# KiCad board FPGA_DevBoard.kicad_pcb (continued)
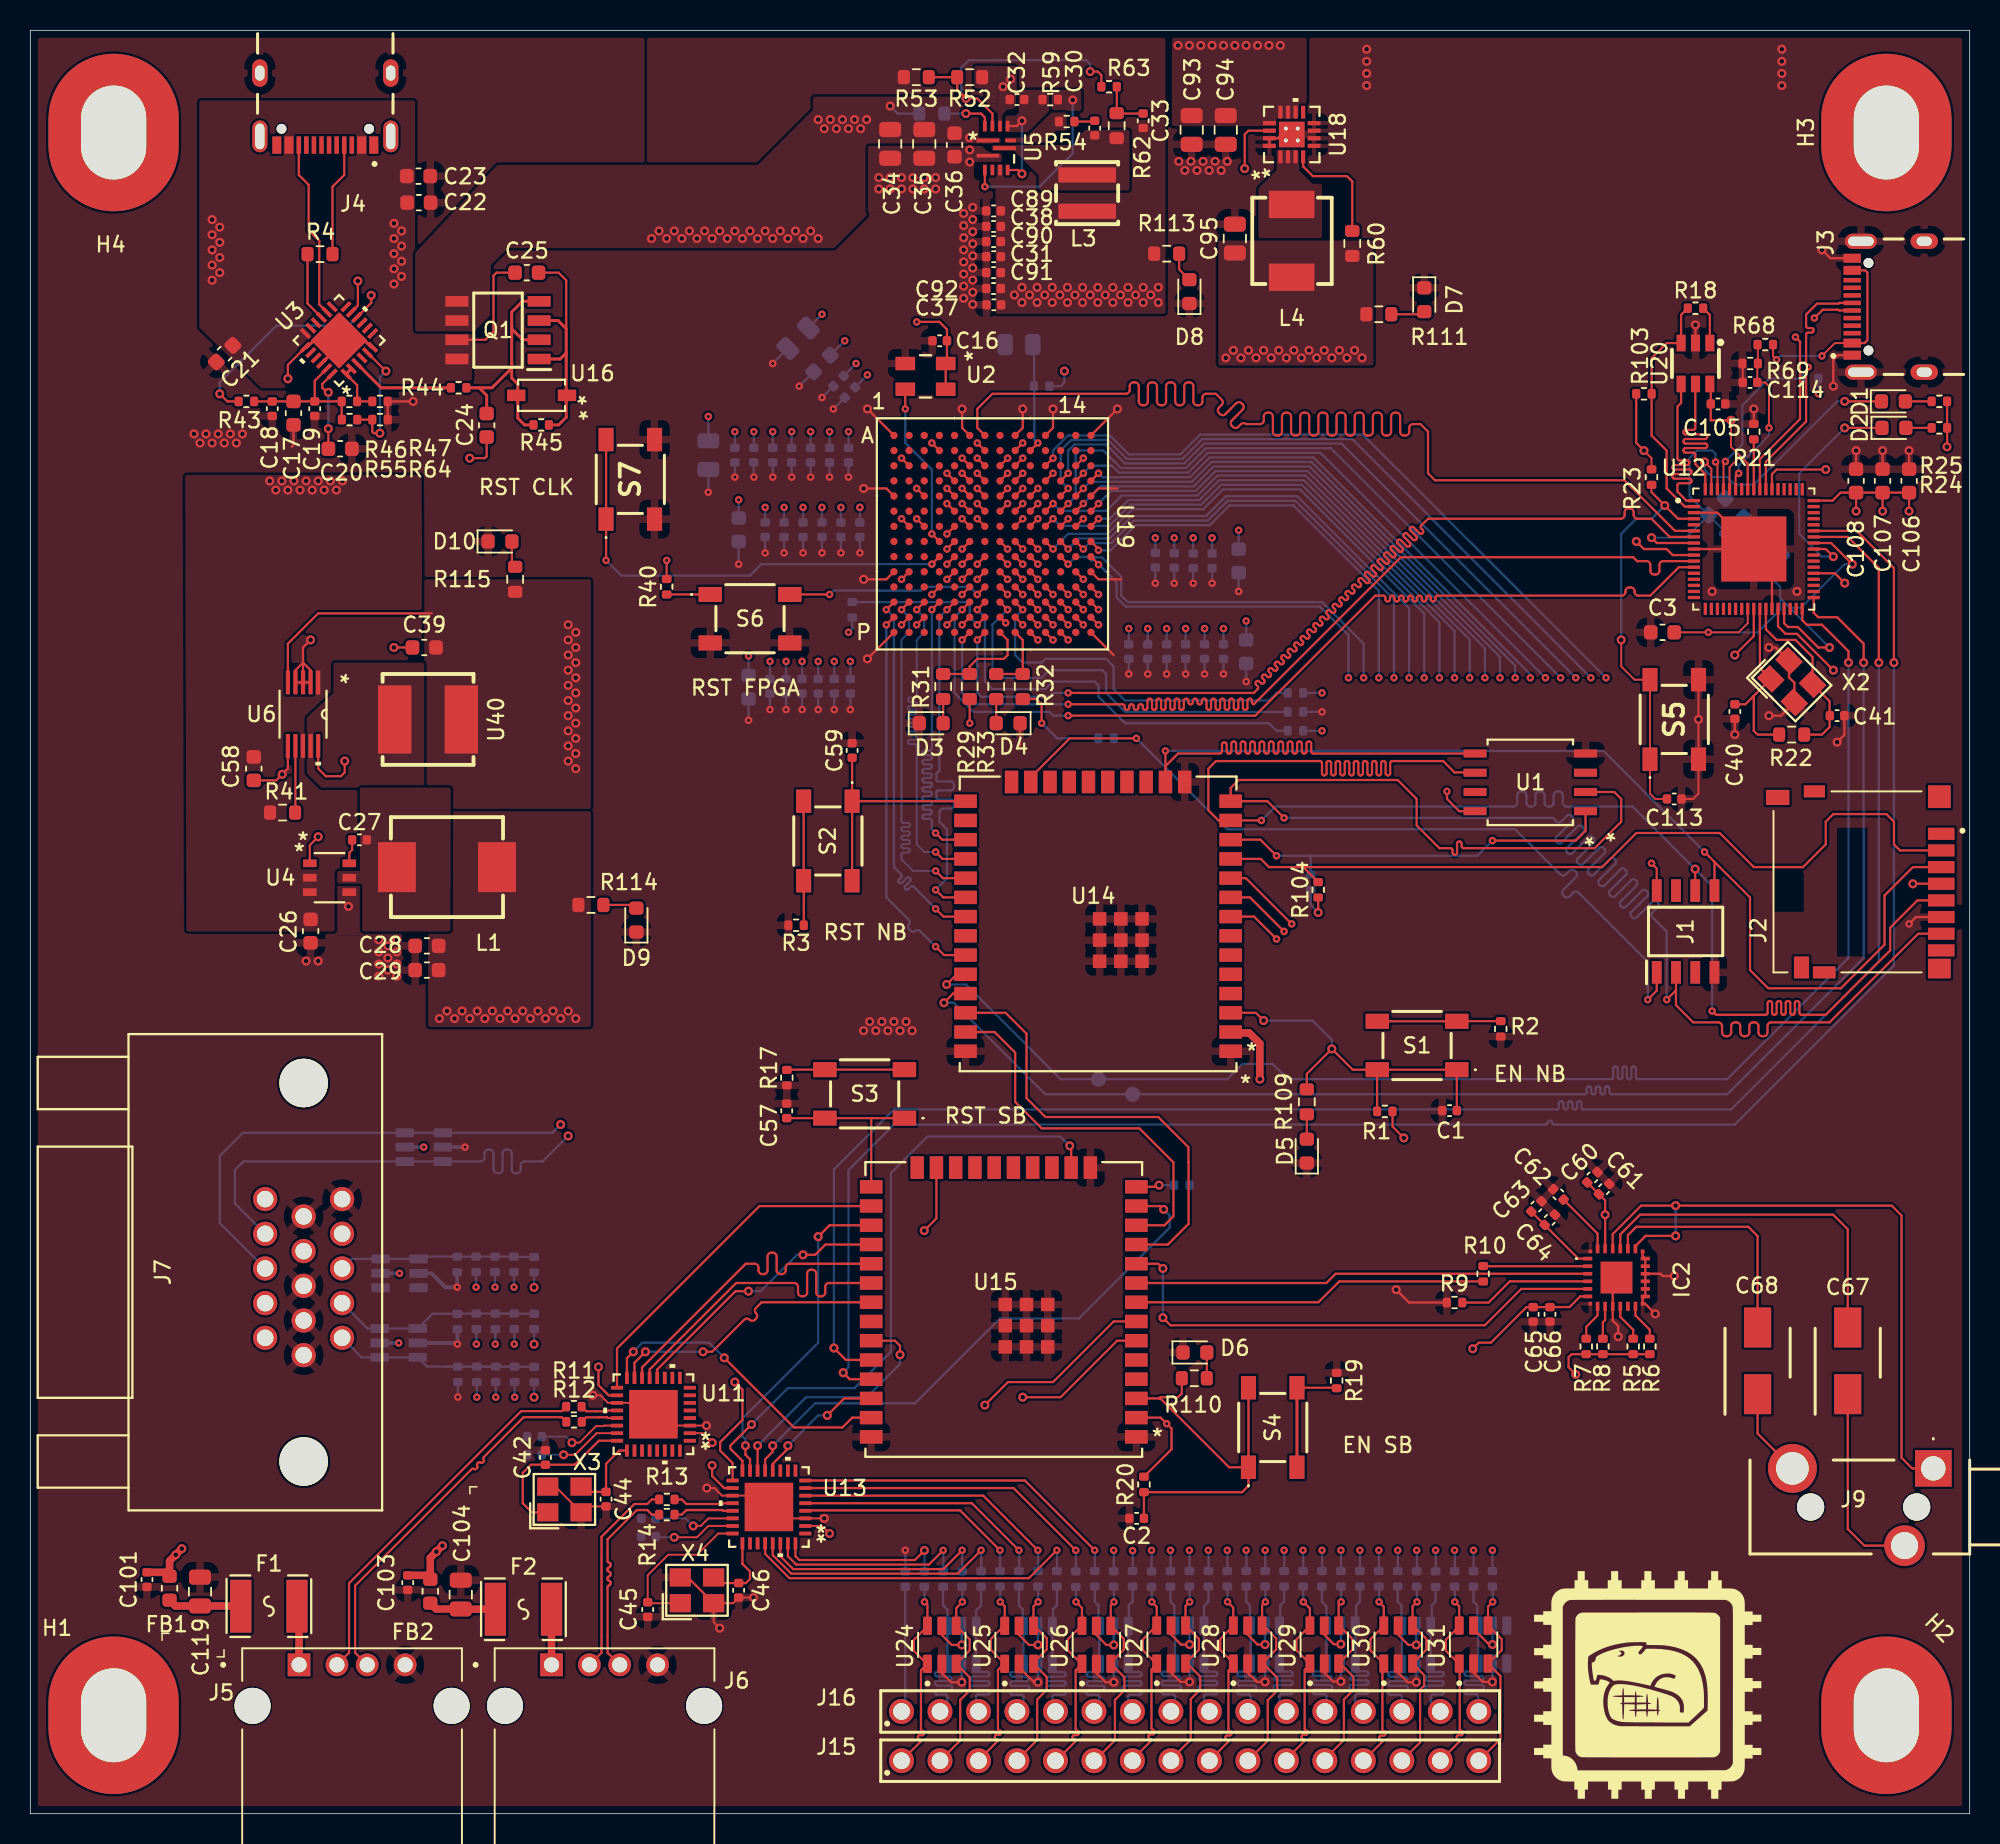
[diagram p0: board, top side]
## Routing (per net, layer and track width the routed paths; a pad name or vN(x,y) marks a point on that pad's centre or on a via; arc(x,y) is an arc through that point) (continued)
+1V8: length 21.8
  Top signal w0.15: U19.K10 v1(66.5,81.5) ; 26.5,79.25 19,79.25 17,77.25 U6.5 ; U19.F10 v1(66.5,86.5) ; U19.F8 v1(64.5,86.5) ; U19.H10 v1(66.5,83.5) ; U19.L9 v1(65.5,80.5)
  Bottom signal w0.15: C12.1 v1(76.75,84.24) ; C13.1 v1(75.5,84.24) ; C15.1 v1(79.75,84.74) ; C96.1 v1(74.25,84.24) ; C14.1 v1(78,84.24)
  vias: v2(35.5,78.5) v2(35.5,77.5) v2(35.5,76.5) v2(35.5,75.5) v2(35.5,74.5) v2(35.5,73.5) v2(35.5,72.5) v2(35.5,71.5) v2(35.5,70.5) v2(35.5,69.5) v2(36,78) v2(36,77) v2(36,76) v2(36,75) v2(36,74) v2(36,73) v2(36,72) v2(36,71) v2(36,70) v2(36,69)
+3V3: length 193.1
  Top signal w0.13: v2(106.5,90) 107,89.5 R23.2 ; U11.2 44.37,25.13 v2(45,24.5) ; U12.64 112.15,88.9 112.88,89.62 ; U13.23 44.75,19 44,18.25 v2(42.5,18.25) ; U11.23 37.38,25.13 35.95,23.7 v2(35.2,23.7) ; v2(112.25,92) 112.25,90.25 112.88,89.62 ; 113.35,89.12 113.35,89.15 112.88,89.62 ; v2(52.75,18.5) 52.25,19 U13.2
  Top signal w0.15: U26.5 70.36,11.8 71.02,11.14 v2(71.51,11.14) ; v2(81.49,11.17) 81,11.17 80.35,11.82 U28.5 ; R103.1 105.99,90.51 v2(106.5,90) ; U19.N13 v1(69.5,78.5) ; U12.26 113.75,77.75 v2(112.5,76.5) ; v1(58.5,98.5) 60,98.5 60.5,98 C16.1 60.5,95.83 U2.1 U2.4 ; R29.1 v1(62,72) ; v1(93.5,67.5) 93.5,67 94.31,66.19 U1.8 ; U27.5 75.29,11.82 75.94,11.17 v2(76.51,11.17) ; C108.1 v2(120.5,86) ; 102.77,41.66 C61.1 103.94,40.49 v2(103.94,39.55) IC2.23 ; R20.1 75.32,24.07 75.32,25.43 v1(75,25.75) 74.6,26.15 U15.2 ; v2(119,75.5) 116.6,77.9 115.85,77.9 115.35,78.4 U12.30 ; v2(95.2,30.7) 95.6,31.1 96.4,31.1 98.75,33.45 C65.1 101.59,33.45 102.29,34.15 IC2.6 ; U19.K2 v1(57.5,81.5) ; U12.51 118.95,86.7 119.47,87.22 C106.1 v2(124,86) ; R1.1 89.91,45.36 v2(90.65,44.62) ; U30.5 90.28,11.82 90.95,11.14 v2(91.47,11.14) ; v2(119.75,81.25) 119.1,81.9 U12.39 ; R25.1 126.51,90.26 v2(126.5,90.25) ; R40.1 v1(42,82.75) ; U31.5 95.26,12.2 96.28,11.17 v2(96.5,11.17) ; U24.5 60.16,11.8 60.82,11.14 v2(61.48,11.14) ; v2(106,84) 106.5,83.5 108,83.5 108.4,83.1 U12.10 ; v2(112.25,92) 110.91,92 C105.1 110.91,94.34 U20.6 ; J1.8 107.34,62.41 v1(107,62.75) ; U12.57 114.95,88.45 115.25,88.75 v2(118.5,88.75) ; R104.1 v2(85,59.5) ; U19.N2 v1(57.5,78.5) ; U12.61 113.35,89.12 ; U19.N6 v1(61.5,78.5) ; U19.N8 v1(64.38,78.62) ; U19.G13 v1(69.5,85.5) ; U29.5 85.4,11.82 86.03,11.19 v2(86.49,11.19) ; U25.5 65.26,11.8 65.92,11.14 v2(66.5,11.14) ; R32.1 66.4,73.6 66.75,73.25 v1(66.75,72) ; v2(102,29) 101.53,29.47 101.53,30.14 101.73,30.34 R6.1 ; v2(80.15,108.62) 80.15,110.87 80.4,111.12 U18.14 ; U19.K13 v1(69.5,81.5) ; U19.G2 v1(57.5,85.5) ; 126.5,61.4 v2(124.25,61.4) ; C107.1 v2(122.25,86)
  Top signal w0.5: 79.2,51.55 80.45,51.55 81.15,50.85 v2(81.15,48.5)
  Bottom signal w0.13: C116.1 41.33,18.25 v2(42.5,18.25) ; 118,93.75 v1(118.01,93.76) R67.1 ; v2(35.2,23.7) C117.1
  Bottom signal w0.15: R38.2 v1(85.25,71.5) ; 48.5,85.25 v1(48.5,86.25) ; v2(68.25,95.25) 68.25,94.5 68,94.25 R26.1 ; C82.1 v1(47.4,76.43) ; C85.1 v1(50.94,76.08) ; R39.2 54.25,78.25 v1(54,78) ; C84.1 v1(49.88,76.08) ; C69.1 v1(78.75,78.25) ; C43.1 v1(80.25,78.75) ; R34.2 v1(85.25,74) ; R30.1 67.78,71 66.78,72 v1(66.75,72) ; C71.1 v1(76.25,78.25) ; C74.1 v1(72.5,78.25) ; C86.1 v1(52,76.08) ; C73.1 v1(73.75,78.25) ; v2(71.51,11.14) 71.51,12.37 ; C83.1 v1(48.82,76.08) ; R102.1 84.5,60 v2(85,59.5) ; v2(81.49,11.17) 81.49,12.4 ; C80.1 v1(53.5,86.25) ; 52.25,85.25 v1(52.25,86.25) ; 54.75,85.25 v1(54.75,86.25) ; C77.1 v1(49.75,86.25) ; C72.1 v1(75,78.25) ; C70.1 v1(77.5,78.25) ; C87.1 v1(53.06,76.08) ; v2(61.48,11.14) 61.48,12.37 ; v2(76.51,11.17) 76.51,12.4 ; 51,85.25 v1(51,86.25) ; C88.1 v1(54.12,76.08) ; C75.1 v1(46.75,86.75) ; v2(66.5,11.14) 66.5,12.37 ; v2(96.5,11.17) 96.5,12.4 ; v2(91.47,11.14) 91.47,12.37 ; v2(86.49,11.19) U34.5
  Bottom signal w0.25: v1(25.97,44.01) U39.5 ; v1(24.37,35.68) U38.5 ; v1(24.32,31.08) U37.5
  vias: v2(78.9,96.12) v2(79.4,96.62) v2(79.9,96.12) v2(80.4,96.62) v2(80.9,96.12) v2(81.4,96.62) v2(81.9,96.12) v2(82.4,96.62) v2(82.9,96.12) v2(83.4,96.62) v2(83.9,96.12) v2(84.4,96.62) v2(84.9,96.12) v2(85.4,96.62) v2(85.9,96.12) v2(86.4,96.62) v2(86.9,96.12) v2(87.4,96.62) v2(87.9,96.12)
+5V: length 9.9
  Top signal w0.15: U4.1 18.45,63.95 v2(19,64.5)
  Top signal w0.5: v2(10,17.5) v2(9.6,17.1) 9.19,16.69 9.19,15.68 8.93,15.94 C101.1 ; v2(27.2,17.7) v2(26.8,17.3) 26.4,16.9 FB2.1 26.14,15.74 C103.1
  vias: v2(27,52.5) v2(27.5,53) v2(28,52.5) v2(28.5,53) v2(29,52.5) v2(29.5,53) v2(30,52.5) v2(30.5,53) v2(31,52.5) v2(31.5,53) v2(32,52.5) v2(32.5,53) v2(33,52.5) v2(33.5,53) v2(34,52.5) v2(34.5,53) v2(35,52.5) v2(35.5,53) v2(36,52.5)
/Power/1V8Sync: length 4.4
  Top signal w0.15: U6.7 17.5,66.12 R41.2
/Power/3V3CYPD: length 9.5
  Top signal w0.15: U3.23 18.77,94.61 C19.1 ; C19.1 R46.1 20.55,92.06 R55.1 ; C19.1 C17.1 C18.1 R43.1
/Power/VBUS_IN: length 7.8
  Top signal w0.15: 32,101.75 30.77,101.75 30.57,101.55 30.57,97.85 30.04,97.32 28.17,97.32
  vias: v2(12,105.25) v2(12,104.25) v2(12,103.25) v2(12,102.25) v2(12,101.25) v2(12.5,104.75) v2(12.5,103.75) v2(12.5,102.75) v2(12.5,101.75) v2(24,105) v2(24,104) v2(24,103) v2(24,102) v2(24,101) v2(24.5,104.5) v2(24.5,103.5) v2(24.5,102.5) v2(24.5,101.5)
/USB_HUB/VBUS1_FILT: length 4
  Top signal w0.5: 17.7,9.87 J5.1 17.74,13.56 F1.2
/USB_HUB/VBUS2_FILT: length 3.7
  Top signal w0.5: J6.1 F2.2
/USB_IN/VBUS: length 13.2
  Top signal w0.13: v1(118.25,96.25) 119.1,97.1 J3.A4_B9 ; v1(115.25,96) 115.02,96.23 R68.2
  Top signal w0.15: J3.B4_A9 121.1,101.9 121.25,101.75 121.25,97.29 121.06,97.1 J3.A4_B9
  Bottom signal w0.13: v1(118.25,96.25) 115.5,96.25 v1(115.25,96)
GND: length 258.9
  Top signal w0.13: v2(47.73,14.27) C46.2 46.38,13.9 X4.2 45.1,12.65 v2(45.5,12.25) ; v2(52.4,19.5) U13.3 49.5,19.5 U13.33 48,21 U13.19 45.65,21 45.15,21.5 v2(44.65,21.5) ; v2(44.62,25.62) U11.3 41.88,25.62 U11.33 40.37,27.13 U11.19 38.12,27.13 37.62,27.63 v2(37.12,27.63) ; R69.1 113.02,95.73 C114.2 ; C44.2 36.74,20.29 X3.2 34.65,21.6 X3.4 33.78,21.23 ; C113.2 109.75,67 110.1,67.35 S5.3 v2(110.1,72.25) S5.4
  Top signal w0.15: U19.C6 v1(61.5,89.5) ; U6.3 18,76 ; U6.3 U6.4 17.5,75.5 18,76 ; U6.3 U6.2 18.5,75.5 18,76 ; 18,76 18,77 v2(18.5,77.5) ; U19.K7 v1(62.5,81.5) ; U24.2 60.16,9.29 60.77,8.68 v2(61.48,8.68) ; U19.N3 v1(58.5,78.5) ; C17.2 17.37,90.37 17.25,90.25 ; U6.6 17,69 v2(16.62,68.62) 16.23,68.22 C58.2 ; U19.J6 v1(61.5,82.5) ; U19.A11 67.5,91.5 v2(67.5,92.75) ; v2(25.27,93.25) R47.2 R64.2 ; C41.2 119.73,71.23 v2(119.25,70.75) ; U19.C8 v1(64.5,89.5) ; U19.H9 v1(65.5,83.5) ; U19.G6 v1(61.5,85.5) ; v2(76.51,8.71) 75.9,8.71 75.29,9.31 U27.2 ; R21.2 v2(113.75,92.75) ; U19.E1 56.5,87.5 v2(55,87.5) ; U19.B4 v1(59.5,90.5) ; U19.B7 v1(62.5,90.5) ; U19.F5 v1(60.5,86.5) ; U19.N5 v1(60.5,78.5) ; U30.2 90.28,9.31 90.91,8.68 v2(91.47,8.68) ; U3.19 17,95.66 v2(17,94.75) ; X4.4 43.4,15.6 X4.2 ; U19.L11 v1(67.5,80.5) ; C108.2 v2(120.5,90) ; v2(71.51,8.68) 70.97,8.68 70.36,9.29 U26.2 ; U19.E10 v1(66.5,87.5) ; U19.C2 v1(57.5,89.5) ; U25.2 65.26,9.67 66.25,8.68 v2(66.5,8.68) ; C107.2 v2(122.25,90) ; U19.A6 61.5,91.5 v2(61.5,92.75) ; U19.E14 70.5,87.5 71.75,87.5 ; U19.A9 65.5,91.5 v2(65.5,92.75) ; U19.E8 v1(64.5,87.5) ; U19.C9 v1(65.5,89.5) ; U19.K14 70.5,81.5 72,81.5 ; U19.H8 v1(64.5,83.5) ; U12.69 111.35,85.9 U12.3 ; U12.69 U12.9 ; U12.69 114.95,82.3 U12.29 ; v2(114.75,77) 115.2,77 X2.4 116.07,75.03 116.43,74.67 X2.2 115.56,72.5 v2(114.75,72.5) ; U31.2 95.26,9.31 95.86,8.71 v2(96.5,8.71) ; v2(20.75,69.5) 20.75,68.75 20.5,68.5 19.5,68.5 19,69 U6.10 ; v2(55,81.5) 56.5,81.5 U19.K1 ; U19.L10 v1(66.5,80.5) ; U19.G3 v1(58.5,85.5) ; U19.L6 v1(61.5,80.5) ; U19.D11 v1(67.5,88.5) ; U19.G10 v1(66.5,85.5) ; v2(86.49,8.73) 85.98,8.73 85.4,9.31 U29.2 ; IC2.25 104.44,35.15 IC2.9 104.44,32.56 104.8,32.2 v2(104.8,31.5) ; 126.5,59.2 124.45,59.2 v1(124,58.75) ; v2(55.25,76.25) U19.P1 ; C106.2 v2(124,90) ; U19.J10 v1(66.5,82.5) ; U19.H5 v1(60.5,83.5) ; U19.B9 v1(65.5,90.5) ; v2(119,94.25) 119,96 119.3,96.3 J3.A1_B12 ; U19.L8 v1(64.5,80.5) ; U19.G7 v1(62.5,85.5) ; U20.2 v2(109.9,98.3) ; U19.K5 v1(60.5,81.5) ; U19.C13 v1(69.5,89.5) ; U19.F9 v1(65.5,86.5) ; J3.B1_A12 118.8,102.7 v2(118.25,103.25) ; U19.D7 v1(62.5,88.5) ; IC2.A4 106.41,36.82 IC2.18 IC2.13 106.41,33.97 IC2.A3 106.58,33.67 v2(107.25,33) ; C39.2 v2(24,77) ; U19.D5 v1(60.5,88.5) ; U19.F7 v1(62.5,86.5) ; U19.A14 v2(71.75,92.75) ; v2(108.5,35.5) 107.75,35.5 107.6,35.65 IC2.16 ; U19.N12 v1(68.5,78.5) ; U19.L4 v1(59.5,80.5) ; U19.N9 v1(65.5,78.5) ; U19.E3 v1(58.5,87.5) ; U28.2 80.35,9.31 80.95,8.71 v2(81.49,8.71) ; U19.E6 v1(61.5,87.5) ; U19.J8 v1(64.5,82.5) ; U19.D9 v1(65.5,88.5) ; C40.1 v2(112.5,71.25) ; U19.C7 v1(62.5,89.5) ; R9.1 91,33.75 v2(90.15,34.6) ; U19.K9 v1(65.5,81.5) ; D4.1 65.33,70.58 65.25,70.5 ; 82.58,110.87 82.33,110.62 U18.15 U18.16 ; U19.G12 v1(68.5,85.5) ; U19.P14 71.5,76.5 ; U19.J7 v1(62.5,82.5) ; v2(55.25,92.75) U19.A1
  Top signal w0.2: U3.25 22.06,97.28 22.51,96.82 U3.6 ; U3.25 18.71,97.28 18.26,96.82 U3.19 ; U3.25 20.38,96.92 U3.22
  Bottom signal w0.15: v2(86.49,8.73) U34.2 ; v2(81.49,8.71) 81.49,9.89 ; v2(61.48,8.68) 61.48,9.86 ; C5.2 v1(51.5,88.25) ; R37.2 v1(85.25,72.75) ; C43.2 v1(80.25,74.75) ; C6.2 v1(50.25,88.25) ; C12.2 v1(76.75,81.24) ; C85.2 v1(50.94,72.9) ; v1(78,81.24) C14.2 ; C10.2 v1(52.25,93.5) ; C87.2 v1(53.06,72.9) ; v2(66.5,8.68) 66.5,9.86 ; C74.2 v1(72.5,75.25) ; C7.2 v1(47.75,88.25) ; v2(91.47,8.68) 91.47,9.86 ; C9.2 v1(53,92.75) ; C71.2 v1(76.25,75.25) ; C98.2 v1(54,88.25) ; C84.2 v1(49.88,72.9) ; C15.2 v1(79.75,80.7) ; C79.2 v1(52.25,83.25) ; C13.2 v1(75.5,81.24) ; v1(57.75,17.39) 57.76,17.38 57.76,16.12 ; C97.2 v1(49,95.75) ; C69.2 v1(78.75,75.25) ; R65.2 v1(28.22,27.51) ; C72.2 v1(75,75.25) ; C75.2 v1(46.75,82.5) ; v2(96.5,8.71) 96.5,9.89 ; C96.2 v1(74.25,81.24) ; C78.2 v1(51,83.25) ; C88.2 v1(54.12,72.9) ; C11.2 v1(50.75,94.25) ; C70.2 v1(77.5,75.25) ; C4.2 v1(52.75,88.25) ; C99.2 v1(49,88.25) ; C80.2 v1(53.5,83.25) ; v2(76.51,8.71) 76.51,9.89 ; C86.2 v1(52,72.9) ; C82.2 v1(47.4,72.19) ; v2(71.51,8.68) 71.51,9.86 ; C100.2 v1(46.5,88.25) ; C77.2 v1(49.75,83.25) ; C8.2 v1(44.75,87.25) ; C81.2 v1(54.75,83.25) ; C83.2 v1(48.82,72.9) ; C76.2 v1(48.5,83.25) ; C73.2 v1(73.75,75.25)
  Bottom signal w0.25: R56.2 v1(28.19,31.01) 28.11,31.08 U37.2 ; R27.2 v1(28.17,34.77) 27.39,34.77 26.47,35.68 U38.2 ; v1(28.68,44.01) U39.2
  vias: v2(10.8,91.1) v2(11.2,90.5) v2(11.6,91.1) v2(12,90.5) v2(12.4,91.1) v2(12.8,90.5) v2(13.2,91.1) v2(13.6,90.5) v2(14,91.1) v2(18.2,56.3) v2(19,56.3) v2(21,59.9) v2(23,57.7) v2(23,56.9) v2(23,56.1) v2(23,55.3) v2(23.6,57.3) v2(23.6,56.5) v2(23.6,55.7) v2(24.2,57.7) v2(24.2,56.9) v2(24.2,56.1) v2(24.2,55.3) v2(55,51.7) v2(55.4,52.3) v2(55.8,51.7) v2(56,108.03) v2(56,107.28) v2(56.2,52.3) v2(56.6,51.7) v2(56.75,108.03) v2(56.75,107.28) v2(57,52.3) v2(57.4,51.7) v2(57.5,108.03) v2(57.5,107.28) v2(57.8,52.3) v2(58.25,108.03) v2(58.25,107.28) v2(58.2,51.7) v2(59,108.03) v2(59,107.28) v2(59.75,108.03) v2(59.75,107.28) v2(61.6,105.66) v2(61.6,104.85) v2(61.6,104.06) v2(61.6,103.25) v2(61.6,102.45) v2(61.6,101.66) v2(61.6,100.85) v2(61.6,100.06) v2(62,109.85) v2(62,109.06) v2(62.2,106.06) v2(62.2,105.25) v2(62.2,104.45) v2(62.2,103.66) v2(62.2,102.85) v2(62.2,102.06) v2(62.2,101.25) v2(62.2,100.45) v2(62.2,99.66) v2(64.2,114.03) v2(64.7,114.53) v2(75.8,109.1) v2(76.2,108.5) v2(76.6,109.1) v2(77,108.5) v2(77.4,109.1) v2(77.8,108.5) v2(78.2,109.1) v2(78.6,108.5) v2(79,109.1) v2(88.2,116.5) v2(88.2,115.7) v2(88.2,114.9) v2(88.2,114.1) v2(111,80.7) v2(115.6,116.5) v2(115.6,115.7) v2(115.6,114.9) v2(115.6,114.1) v2(116.6,80.7)
/FPGA_UNIT_A/Clk_Reset: length 30.9
  Top signal w0.15: v1(38,82.75) S7.1 S7.2 ; U19.J4 v1(59.5,82.5)
  Bottom signal w0.15: v1(59.5,82.5) 48.25,82.5 47.5,81.75 39,81.75 v1(38,82.75)
/FPGA_UNIT_A/UCLK: length 11
  Top signal w0.15: U19.H4 v1(59.5,84.5) ; v1(57.75,92.75) U2.3
  Bottom signal w0.15: v1(59.5,84.5) 59.5,88.75 57.75,90.5 v1(57.75,92.75)
/FPGA_UNIT_B/Blue: length 13
  Bottom signal w0.15: R106.2 31.95,36.76 R36.2 25.78,36.79 U38.1 U38.6 21.21,36.63 J7.3
/FPGA_UNIT_B/GPIO_7: length 107.3
  Top signal w0.15: U19.J12 v1(68.5,82.5)
  Top PWR w0.15: 88,74.95 88,54.51 arc(87.97,54.44) 87.9,54.41 arc(87.83,54.38) 87.8,54.31 87.8,54.21 arc(87.83,54.14) 87.9,54.11 88.1,54.11 arc(88.17,54.08) 88.2,54.01 88.2,53.91 arc(88.17,53.84) 88.1,53.81 87.9,53.81 arc(87.83,53.78) 87.8,53.71 87.8,53.61 arc(87.83,53.54) 87.9,53.51 88.1,53.51 arc(88.17,53.48) 88.2,53.41 88.2,53.31 arc(88.17,53.24) 88.1,53.21 87.9,53.21 arc(87.83,53.18) 87.8,53.11 87.8,53.01 arc(87.83,52.94) 87.9,52.91 88.1,52.91 arc(88.17,52.88) 88.2,52.81 88.2,52.71 arc(88.17,52.64) 88.1,52.61 87.9,52.61 arc(87.83,52.58) 87.8,52.51 87.8,52.41 arc(87.83,52.34) 87.9,52.31 88.1,52.31 arc(88.17,52.28) 88.2,52.21 88.2,52.11 arc(88.17,52.04) 88.1,52.01 87.9,52.01 arc(87.83,51.98) 87.8,51.91 87.8,51.81 arc(87.83,51.74) 87.9,51.71 88.1,51.71 arc(88.17,51.68) 88.2,51.61 88.2,51.51 arc(88.17,51.44) 88.1,51.41 87.9,51.41 arc(87.83,51.38) 87.8,51.31 87.8,51.21 arc(87.83,51.14) 87.9,51.11 88.1,51.11 arc(88.17,51.08) 88.2,51.01 88.2,50.91 arc(88.17,50.84) 88.1,50.81 87.9,50.81 arc(87.83,50.78) 87.8,50.71 87.8,50.61 arc(87.83,50.54) 87.9,50.51 88.1,50.51 arc(88.17,50.48) 88.2,50.41 88.2,50.31 arc(88.17,50.24) 88.1,50.21 87.9,50.21 arc(87.83,50.18) 87.8,50.11 87.8,50.01 arc(87.83,49.94) 87.9,49.91 88.1,49.91 arc(88.17,49.88) 88.2,49.81 88.2,49.71 arc(88.17,49.64) 88.1,49.61 87.9,49.61 arc(87.83,49.58) 87.8,49.51 87.8,49.41 arc(87.83,49.34) 87.9,49.31 88.1,49.31 arc(88.17,49.28) 88.2,49.21 88.2,49.11 arc(88.17,49.04) 88.1,49.01 87.9,49.01 arc(87.83,48.98) 87.8,48.91 87.8,48.81 arc(87.83,48.74) 87.9,48.71 88.1,48.71 arc(88.17,48.68) 88.2,48.61 88.2,48.51 arc(88.17,48.44) 88.1,48.41 87.9,48.41 arc(87.83,48.38) 87.8,48.31 87.8,48.21 arc(87.83,48.14) 87.9,48.11 88.1,48.11 arc(88.17,48.08) 88.2,48.01 88.2,47.91 arc(88.17,47.84) 88.1,47.81 87.9,47.81 arc(87.83,47.78) 87.8,47.71 87.8,47.61 arc(87.83,47.54) 87.9,47.51 88.1,47.51 arc(88.17,47.48) 88.2,47.41 88.2,47.31 arc(88.17,47.24) 88.1,47.21 87.9,47.21 arc(87.83,47.18) 87.8,47.11 87.8,47.01 arc(87.83,46.94) 87.9,46.91 88.1,46.91 arc(88.17,46.88) 88.2,46.81 88.2,46.71 arc(88.17,46.64) 88.1,46.61 87.9,46.61 arc(87.83,46.58) 87.8,46.51 87.8,46.41 arc(87.83,46.34) 87.9,46.31 88.1,46.31 arc(88.17,46.28) 88.2,46.21 88.2,46.11 arc(88.17,46.04) 88.1,46.01 87.9,46.01 arc(87.83,45.98) 87.8,45.91 87.8,45.81 arc(87.83,45.74) 87.9,45.71 88.1,45.71 arc(88.17,45.68) 88.2,45.61 88.2,45.51 arc(88.17,45.44) 88.1,45.41 87.9,45.41 arc(87.83,45.38) 87.8,45.31 87.8,45.21 arc(87.83,45.14) 87.9,45.11 88.1,45.11 arc(88.17,45.08) 88.2,45.01 88.2,44.91 arc(88.17,44.84) 88.1,44.81 87.9,44.81 arc(87.83,44.78) 87.8,44.71 87.8,44.61 arc(87.83,44.54) 87.9,44.51 88.1,44.51 arc(88.17,44.48) 88.2,44.41 88.2,44.31 arc(88.17,44.24) 88.1,44.21 87.9,44.21 arc(87.83,44.18) 87.8,44.11 87.8,44.01 arc(87.83,43.94) 87.9,43.91 88.1,43.91 arc(88.17,43.88) 88.2,43.81 88.2,43.71 arc(88.17,43.64) 88.1,43.61 87.9,43.61 arc(87.83,43.58) 87.8,43.51 87.8,43.41 arc(87.83,43.34) 87.9,43.31 88.1,43.31 arc(88.17,43.28) 88.2,43.21 88.2,43.11 arc(88.17,43.04) 88.1,43.01 87.9,43.01 arc(87.83,42.98) 87.8,42.91 87.8,42.81 arc(87.83,42.74) 87.9,42.71 88.1,42.71 arc(88.17,42.68) 88.2,42.61 88.2,42.51 arc(88.17,42.44) 88.1,42.41 87.9,42.41 arc(87.83,42.38) 87.8,42.31 87.8,42.21 arc(87.83,42.14) 87.9,42.11 88.1,42.11 arc(88.17,42.08) 88.2,42.01 88.2,41.91 arc(88.17,41.84) 88.1,41.81 87.9,41.81 arc(87.83,41.78) 87.8,41.71 87.8,41.61 arc(87.83,41.54) 87.9,41.51 88.1,41.51 arc(88.17,41.48) 88.2,41.41 88.2,41.31 arc(88.17,41.24) 88.1,41.21 87.9,41.21 arc(87.83,41.18) 87.8,41.11 87.8,41.01 arc(87.83,40.94) 87.9,40.91 88.1,40.91 arc(88.17,40.88) 88.2,40.81 88.2,40.71 arc(88.17,40.64) 88.1,40.61 87.9,40.61 arc(87.83,40.58) 87.8,40.51 87.8,40.41 arc(87.83,40.34) 87.9,40.31 88.1,40.31 arc(88.17,40.28) 88.2,40.21 88.2,40.11 arc(88.17,40.04) 88.1,40.01 87.9,40.01 arc(87.83,39.98) 87.8,39.91 87.8,39.81 arc(87.83,39.74) 87.9,39.71 88.1,39.71 arc(88.17,39.68) 88.2,39.61 88.2,39.51 arc(88.17,39.44) 88.1,39.41 87.9,39.41 arc(87.83,39.38) 87.8,39.31 87.8,39.21 arc(87.83,39.14) 87.9,39.11 88.1,39.11 arc(88.17,39.08) 88.2,39.01 88.2,38.91 arc(88.17,38.84) 88.1,38.81 87.9,38.81 arc(87.83,38.78) 87.8,38.71 87.8,38.61 arc(87.83,38.54) 87.9,38.51 88.1,38.51 arc(88.17,38.48) 88.2,38.41 88.2,38.31 arc(88.17,38.24) 88.1,38.21 87.9,38.21 arc(87.83,38.18) 87.8,38.11 87.8,38.01 arc(87.83,37.94) 87.9,37.91 88.1,37.91 arc(88.17,37.88) 88.2,37.81 88.2,37.71 arc(88.17,37.64) 88.1,37.61 87.9,37.61 arc(87.83,37.58) 87.8,37.51 87.8,37.41 arc(87.83,37.34) 87.9,37.31 arc(87.97,37.28) 88,37.21 88,36.94 80.42,29.36 80.42,26.36 76.5,22.43 v1(76.5,17.39)
  Bottom signal w0.15: v1(68.5,82.5) 68.98,82.98 69.77,82.98 70,82.75 70.11,82.75 70.3,82.95 70.73,82.95 72,81.67 72,80.43 72.43,80 85.25,80 88,77.25 v1(88,75) ; 76.51,16.12 76.51,17.38 v1(76.5,17.39)
/FPGA_UNIT_B/GPIO_8: length 107.4
  Top signal w0.15: U19.H13 v1(69.5,83.5)
  Top PWR w0.15: 90,74.95 90,50.62 arc(90.03,50.55) 90.1,50.52 arc(90.17,50.49) 90.2,50.42 90.2,50.32 arc(90.17,50.25) 90.1,50.22 89.9,50.22 arc(89.83,50.19) 89.8,50.12 89.8,50.02 arc(89.83,49.95) 89.9,49.92 90.1,49.92 arc(90.17,49.89) 90.2,49.82 90.2,49.72 arc(90.17,49.65) 90.1,49.62 89.9,49.62 arc(89.83,49.59) 89.8,49.52 89.8,49.42 arc(89.83,49.35) 89.9,49.32 90.1,49.32 arc(90.17,49.29) 90.2,49.22 90.2,49.12 arc(90.17,49.05) 90.1,49.02 89.9,49.02 arc(89.83,48.99) 89.8,48.92 89.8,48.82 arc(89.83,48.75) 89.9,48.72 90.1,48.72 arc(90.17,48.69) 90.2,48.62 90.2,48.52 arc(90.17,48.45) 90.1,48.42 89.9,48.42 arc(89.83,48.39) 89.8,48.32 89.8,48.22 arc(89.83,48.15) 89.9,48.12 90.1,48.12 arc(90.17,48.09) 90.2,48.02 90.2,47.92 arc(90.17,47.85) 90.1,47.82 89.9,47.82 arc(89.83,47.79) 89.8,47.72 89.8,47.62 arc(89.83,47.55) 89.9,47.52 90.1,47.52 arc(90.17,47.49) 90.2,47.42 90.2,47.32 arc(90.17,47.25) 90.1,47.22 89.9,47.22 arc(89.83,47.19) 89.8,47.12 89.8,47.02 arc(89.83,46.95) 89.9,46.92 90.1,46.92 arc(90.17,46.89) 90.2,46.82 90.2,46.72 arc(90.17,46.65) 90.1,46.62 89.9,46.62 arc(89.83,46.59) 89.8,46.52 89.8,46.42 arc(89.83,46.35) 89.9,46.32 90.1,46.32 arc(90.17,46.29) 90.2,46.22 90.2,46.12 arc(90.17,46.05) 90.1,46.02 89.9,46.02 arc(89.83,45.99) 89.8,45.92 89.8,45.82 arc(89.83,45.75) 89.9,45.72 90.1,45.72 arc(90.17,45.69) 90.2,45.62 90.2,45.52 arc(90.17,45.45) 90.1,45.42 89.9,45.42 arc(89.83,45.39) 89.8,45.32 89.8,45.22 arc(89.83,45.15) 89.9,45.12 arc(89.97,45.09) 90,45.02 90,44.92 arc(89.97,44.85) 89.9,44.82 arc(89.83,44.79) 89.8,44.72 89.8,44.62 arc(89.83,44.55) 89.9,44.52 arc(89.97,44.49) 90,44.42 90,44.32 arc(89.97,44.25) 89.9,44.22 arc(89.83,44.19) 89.8,44.12 89.8,44.02 arc(89.83,43.95) 89.9,43.92 90.1,43.92 arc(90.17,43.89) 90.2,43.82 90.2,43.72 arc(90.17,43.65) 90.1,43.62 89.9,43.62 arc(89.83,43.59) 89.8,43.52 89.8,43.42 arc(89.83,43.35) 89.9,43.32 90.1,43.32 arc(90.17,43.29) 90.2,43.22 90.2,43.12 arc(90.17,43.05) 90.1,43.02 89.9,43.02 arc(89.83,42.99) 89.8,42.92 89.8,42.82 arc(89.83,42.75) 89.9,42.72 90.1,42.72 arc(90.17,42.69) 90.2,42.62 90.2,42.52 arc(90.17,42.45) 90.1,42.42 89.9,42.42 arc(89.83,42.39) 89.8,42.32 89.8,42.22 arc(89.83,42.15) 89.9,42.12 90.1,42.12 arc(90.17,42.09) 90.2,42.02 90.2,41.92 arc(90.17,41.85) 90.1,41.82 89.9,41.82 arc(89.83,41.79) 89.8,41.72 89.8,41.62 arc(89.83,41.55) 89.9,41.52 90.1,41.52 arc(90.17,41.49) 90.2,41.42 90.2,41.32 arc(90.17,41.25) 90.1,41.22 89.9,41.22 arc(89.83,41.19) 89.8,41.12 89.8,41.02 arc(89.83,40.95) 89.9,40.92 90.1,40.92 arc(90.17,40.89) 90.2,40.82 90.2,40.72 arc(90.17,40.65) 90.1,40.62 89.9,40.62 arc(89.83,40.59) 89.8,40.52 89.8,40.42 arc(89.83,40.35) 89.9,40.32 90.1,40.32 arc(90.17,40.29) 90.2,40.22 90.2,40.12 arc(90.17,40.05) 90.1,40.02 89.9,40.02 arc(89.83,39.99) 89.8,39.92 89.8,39.82 arc(89.83,39.75) 89.9,39.72 90.1,39.72 arc(90.17,39.69) 90.2,39.62 90.2,39.52 arc(90.17,39.45) 90.1,39.42 89.9,39.42 arc(89.83,39.39) 89.8,39.32 89.8,39.22 arc(89.83,39.15) 89.9,39.12 90.1,39.12 arc(90.17,39.09) 90.2,39.02 90.2,38.92 arc(90.17,38.85) 90.1,38.82 89.9,38.82 arc(89.83,38.79) 89.8,38.72 89.8,38.62 arc(89.83,38.55) 89.9,38.52 90.1,38.52 arc(90.17,38.49) 90.2,38.42 90.2,38.32 arc(90.17,38.25) 90.1,38.22 89.9,38.22 arc(89.83,38.19) 89.8,38.12 89.8,38.02 arc(89.83,37.95) 89.9,37.92 90.1,37.92 arc(90.17,37.89) 90.2,37.82 90.2,37.72 arc(90.17,37.65) 90.1,37.62 89.9,37.62 arc(89.83,37.59) 89.8,37.52 89.8,37.42 arc(89.83,37.35) 89.9,37.32 90.1,37.32 arc(90.17,37.29) 90.2,37.22 90.2,37.12 arc(90.17,37.05) 90.1,37.02 89.9,37.02 arc(89.83,36.99) 89.8,36.92 89.8,36.82 arc(89.83,36.75) 89.9,36.72 arc(89.97,36.69) 90,36.62 90,36.11 81.59,27.7 81.59,25.75 79,23.16 v1(79,17.39)
  Bottom signal w0.15: v1(90,75) 90,80.18 83.49,86.69 79.03,86.69 77.72,85.38 72.84,85.38 71.35,83.9 69.9,83.9 v1(69.5,83.5) ; v1(79,17.39) 79.01,17.38 79.01,16.11
/FPGA_UNIT_B/GPIO_9: length 108.6
  Top signal w0.15: U19.H11 v1(67.5,83.5)
  Top PWR w0.15: v1(81.5,17.39) 81.5,23.93 82.96,25.39 82.96,26.24 92.01,35.28 arc(91.98,35.35) 91.91,35.38 arc(91.84,35.41) 91.81,35.48 91.81,35.58 arc(91.84,35.65) 91.91,35.68 92.11,35.68 arc(92.18,35.71) 92.21,35.78 92.21,35.88 arc(92.18,35.95) 92.11,35.98 91.91,35.98 arc(91.84,36.01) 91.81,36.08 91.81,36.18 arc(91.84,36.25) 91.91,36.28 92.11,36.28 arc(92.18,36.31) 92.21,36.38 92.21,36.48 arc(92.18,36.55) 92.11,36.58 91.91,36.58 arc(91.84,36.61) 91.81,36.68 91.81,36.78 arc(91.84,36.85) 91.91,36.88 92.11,36.88 arc(92.18,36.91) 92.21,36.98 92.21,37.08 arc(92.18,37.15) 92.11,37.18 91.91,37.18 arc(91.84,37.21) 91.81,37.28 91.81,37.38 arc(91.84,37.45) 91.91,37.48 92.11,37.48 arc(92.18,37.51) 92.21,37.58 92.21,37.68 arc(92.18,37.75) 92.11,37.78 91.91,37.78 arc(91.84,37.81) 91.81,37.88 91.81,37.98 arc(91.84,38.05) 91.91,38.08 92.11,38.08 arc(92.18,38.11) 92.21,38.18 92.21,38.28 arc(92.18,38.35) 92.11,38.38 91.91,38.38 arc(91.84,38.41) 91.81,38.48 91.81,38.58 arc(91.84,38.65) 91.91,38.68 92.11,38.68 arc(92.18,38.71) 92.21,38.78 92.21,38.88 arc(92.18,38.95) 92.11,38.98 91.91,38.98 arc(91.84,39.01) 91.81,39.08 91.81,39.18 arc(91.84,39.25) 91.91,39.28 92.11,39.28 arc(92.18,39.31) 92.21,39.38 92.21,39.48 arc(92.18,39.55) 92.11,39.58 91.91,39.58 arc(91.84,39.61) 91.81,39.68 91.81,39.78 arc(91.84,39.85) 91.91,39.88 92.11,39.88 arc(92.18,39.91) 92.21,39.98 92.21,40.08 arc(92.18,40.15) 92.11,40.18 91.91,40.18 arc(91.84,40.21) 91.81,40.28 91.81,40.38 arc(91.84,40.45) 91.91,40.48 92.11,40.48 arc(92.18,40.51) 92.21,40.58 92.21,40.68 arc(92.18,40.75) 92.11,40.78 91.91,40.78 arc(91.84,40.81) 91.81,40.88 91.81,40.98 arc(91.84,41.05) 91.91,41.08 92.11,41.08 arc(92.18,41.11) 92.21,41.18 92.21,41.28 arc(92.18,41.35) 92.11,41.38 91.91,41.38 arc(91.84,41.41) 91.81,41.48 91.81,41.58 arc(91.84,41.65) 91.91,41.68 92.11,41.68 arc(92.18,41.71) 92.21,41.78 92.21,41.88 arc(92.18,41.95) 92.11,41.98 91.91,41.98 arc(91.84,42.01) 91.81,42.08 91.81,42.18 arc(91.84,42.25) 91.91,42.28 92.11,42.28 arc(92.18,42.31) 92.21,42.38 92.21,42.48 arc(92.18,42.55) 92.11,42.58 91.91,42.58 arc(91.84,42.61) 91.81,42.68 91.81,42.78 arc(91.84,42.85) 91.91,42.88 92.11,42.88 arc(92.18,42.91) 92.21,42.98 92.21,43.08 arc(92.18,43.15) 92.11,43.18 91.91,43.18 arc(91.84,43.21) 91.81,43.28 91.81,43.38 arc(91.84,43.45) 91.91,43.48 92.11,43.48 arc(92.18,43.51) 92.21,43.58 92.21,43.68 arc(92.18,43.75) 92.11,43.78 91.91,43.78 arc(91.84,43.81) 91.81,43.88 91.81,43.98 arc(91.84,44.05) 91.91,44.08 92.11,44.08 arc(92.18,44.11) 92.21,44.18 92.21,44.28 arc(92.18,44.35) 92.11,44.38 91.91,44.38 arc(91.84,44.41) 91.81,44.48 91.81,44.58 arc(91.84,44.65) 91.91,44.68 92.11,44.68 arc(92.18,44.71) 92.21,44.78 92.21,44.88 arc(92.18,44.95) 92.11,44.98 91.91,44.98 arc(91.84,45.01) 91.81,45.08 91.81,45.18 arc(91.84,45.25) 91.91,45.28 92.11,45.28 arc(92.18,45.31) 92.21,45.38 92.21,45.48 arc(92.18,45.55) 92.11,45.58 91.91,45.58 arc(91.84,45.61) 91.81,45.68 91.81,45.78 arc(91.84,45.85) 91.91,45.88 arc(91.98,45.91) 92.01,45.98 92.01,75